# Altium PCB PCB2.PcbDoc (continued)
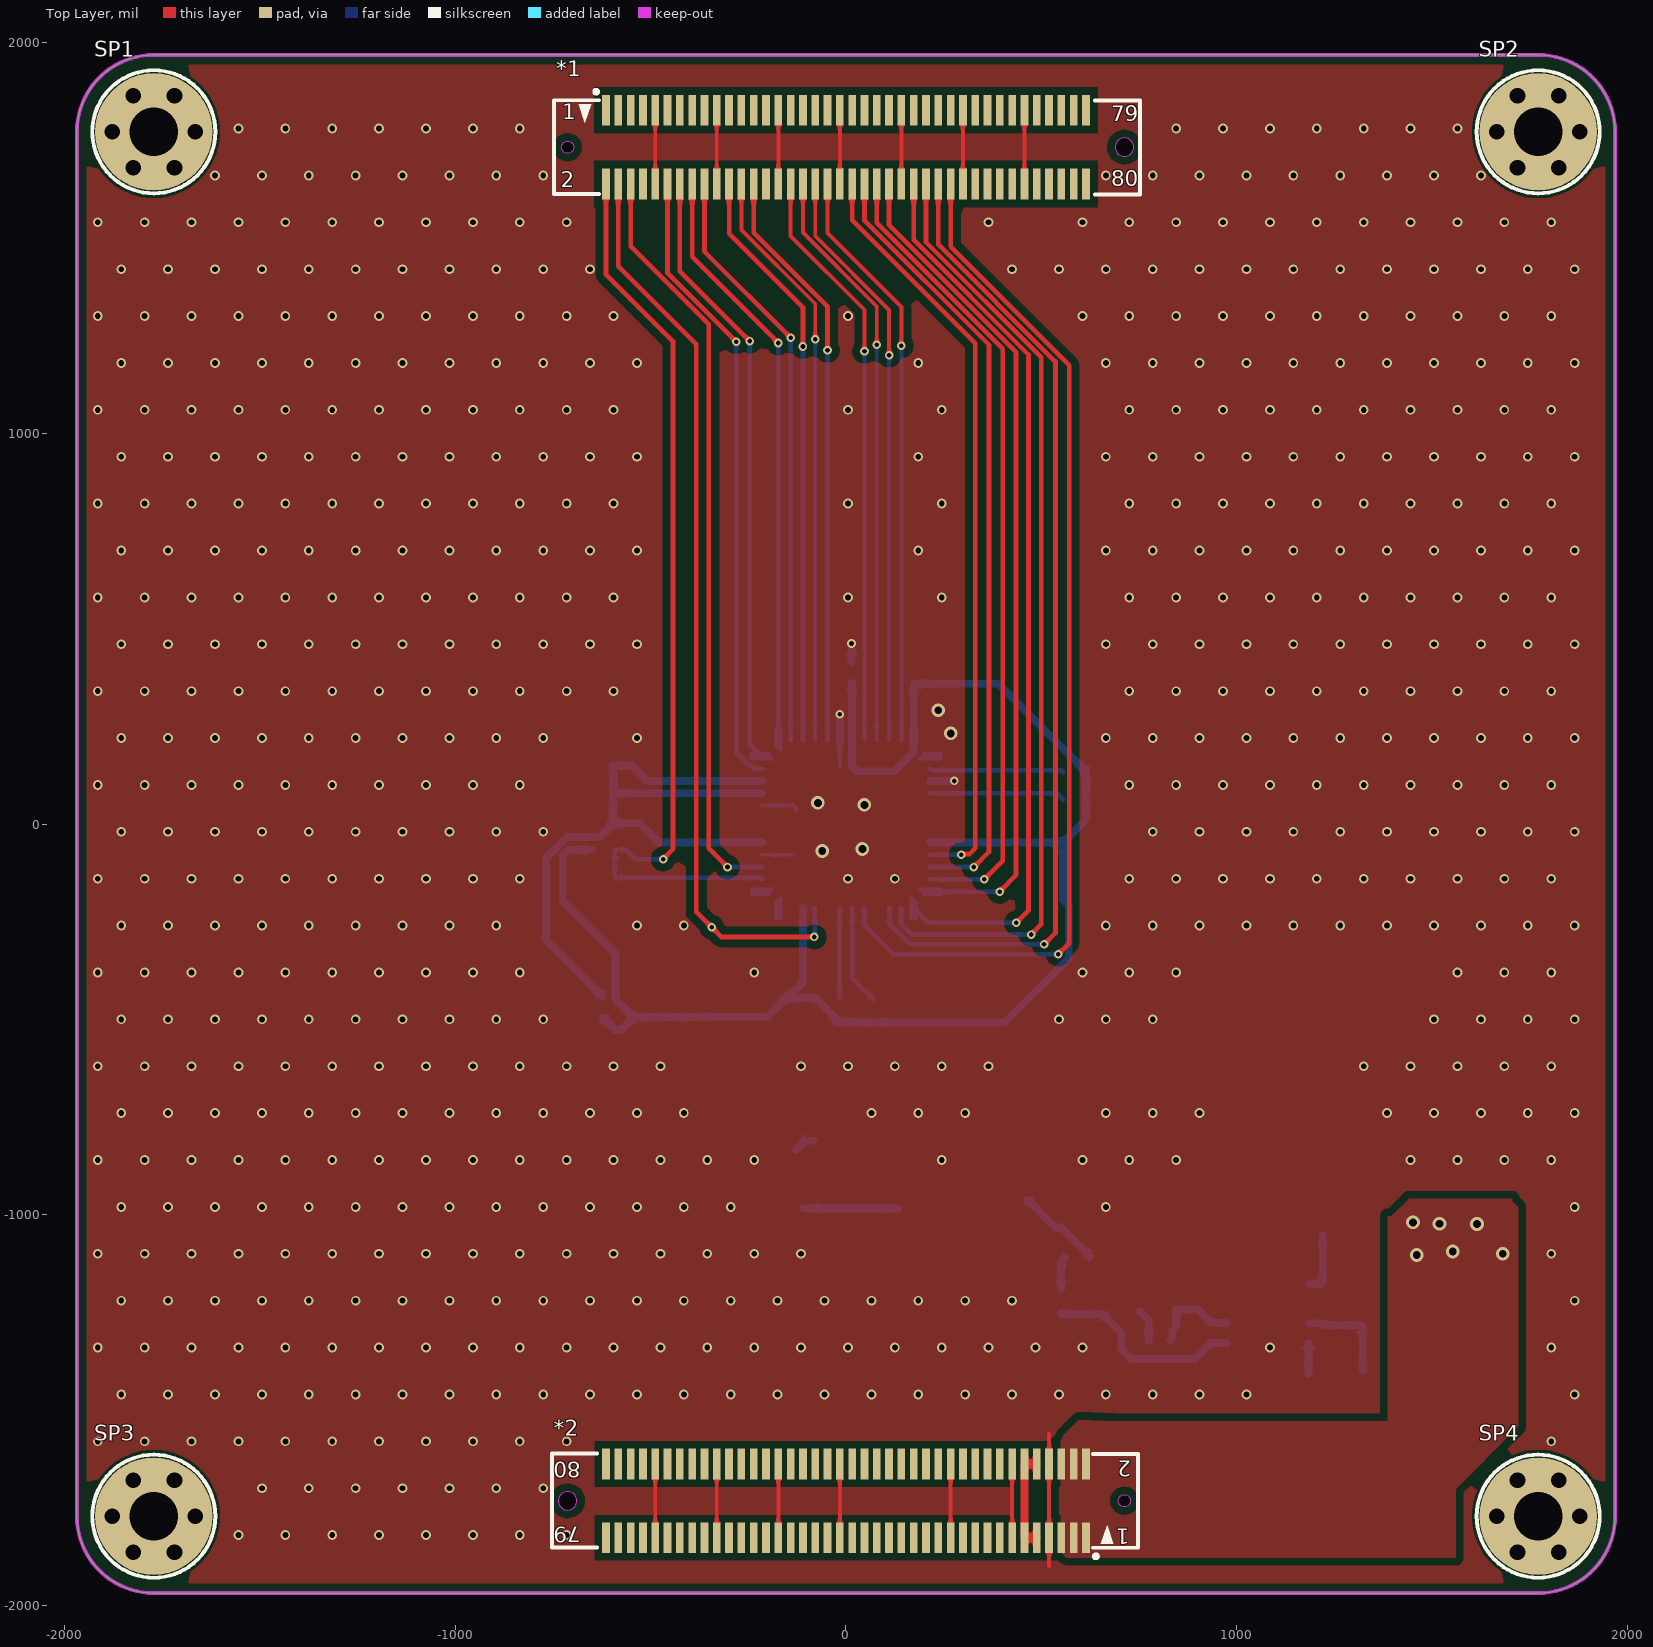
[diagram p0: Top Layer view]
## Components (designator, comment, footprint, x,y, rotation, side; value= is the part's Value field where it differs from the comment)
*1 "BTB-08-80-G" BTB-08-80-G 0,1732.28 r180 top locked
*2 "BTB-08-80-G" BTB-08-80-G 0,-1732.28 r0 top locked
*3 "TPS54331DR" SOIC-8 1080,-1253 r180 bottom
C1 "CAP" C0603 -620.39,-133 r0 bottom
C2 "CAP" C0603 -388.21,-466 r90 bottom
C3 "CAP" C0603 -623.56,150 r180 bottom
C4 "CAP" C0603 -151,-473 r270 bottom
C5 "CAP" C0603 -624.56,2 r180 bottom
C6 "CAP" C0603 -465.21,-465.44 r90 bottom
C7 "CAP" C0603 -623.61,76 r180 bottom
C8 "CAP" C0603 -541.21,-467.44 r90 bottom
C9 "CAP" C0603 14,388.56 r90 bottom
C10 "CAP" C0603 174,386.56 r90 bottom
C11 "CAP" C0603 582.13,-50.12 r0 bottom
C12 "0.1u" 0603C 1220.21,-1052.65 r180 bottom
C13 "47U" 0603C 520.21,-960.65 r180 bottom
C14 "4.7u" 0603C 1590.35,-1293.21 r90 bottom
C15 "4.7u" 0603C 1511.35,-1293.21 r90 bottom
C16 "0.01u" 0603C 1420.35,-1293.21 r90 bottom
C17 "4.7u" 0603C 285.91,-975.01 r270 bottom
C18 "0.1u" 0603C 217.91,-976.01 r270 bottom
C19 "4.7u" 0603C -44.53,-802.86 r180 bottom
C20 "0.1u" 0603C -45.53,-727.86 r180 bottom
C21 "1000p" 0603C 774.79,-1323.35 r0 bottom
C22 "47p" 0603C 843.65,-1187.79 r270 bottom
C23 "0.01u" 0603C 1185.35,-1463.21 r90 bottom
D1 "B340A" SMA/DO-214AC 775,-1023 r0 bottom
EC1 "47u" SMD-EC6.3X6.3X10 1184.27,-416.98 r0 bottom
L1 "FB" L0603 -623,-469 r90 bottom
L2 "6.8uH" L-SMD-0630 1185,-788 r90 bottom
R1 "2K" R0603 71,-478 r270 bottom
R2 "2K" R0603 -16,-478 r270 bottom
R3 "2K" R0603 -620,-66 r180 bottom
R4 "2K" R0603 585,133 r180 bottom
R5 "2K" R0603 585,62 r180 bottom
R6 "0R" 0603R 560,-1108 r0 bottom
R7 "332k" 0603R 1320,-1283 r90 bottom
R8 "68.1k" 0603R 1325,-1463 r90 bottom
R9 "24.9k" 0603R 550,-1253 r90 bottom
R10 "29.4k" 0603R 750,-1185.01 r270 bottom
R11 "4.7k" 0603R 655,-1193 r270 bottom
SP1 "M3铜柱" M3x5_N -1771.65,1771.65 r0 top locked
SP2 "M3铜柱" M3x5_N 1771.65,1771.65 r0 top locked
SP3 "M3铜柱" M3x5_N -1771.65,-1771.65 r0 top locked
SP4 "M3铜柱" M3x5_N 1771.65,-1771.65 r0 top locked
U1 "MT9V034C12STM-DP" CLCC-48_L11.4-W11.4-P0.80-T 0,0 r180 bottom locked
V1 "AMS1117-3V3" SOT223_L 12.73,-984.42 r270 bottom

## Footprints (in the part's own frame and the unit in brackets; to place one, negate y for a bottom-side part, rotate by r counter-clockwise, add the part's x,y. Pads: shape width x height; smd on the part's side, far side on the other; paste and mask are expansions set on the pad)
0603C [mil]
  rect 30x30 smd: 1(0.21,-0.35) 2(55.21,-1.35)
  silkscreen extent -26,-30 81,28, body extent -1,-15 62,16, height 12
0603R [mm]
  rect 0.8x0.965 smd: 1(0,0) 2(1.6,0)
  silkscreen extent -0.64,-0.76 2.21,0.76, body extent -0.04,-0.41 1.56,0.41, height 0.45
BTB-08-80-G [mm] "BTB 公座，0.8mm间距"
  rect 0.5x2 smd mask+0.051: 1(15.6,-2.4) 2(15.6,2.4) 3(14.8,-2.4) 4(14.8,2.4) 5(14,-2.4) 6(14,2.4) 7(13.2,-2.4) 8(13.2,2.4) 9(12.4,-2.4) 10(12.4,2.4) 11(11.6,-2.4) 12(11.6,2.4) 13(10.8,-2.4) 14(10.8,2.4) 15(10,-2.4) 16(10,2.4) 17(9.2,-2.4) 18(9.2,2.4) 19(8.4,-2.4) 20(8.4,2.4) 21(7.6,-2.4) 22(7.6,2.4) 23(6.8,-2.4) 24(6.8,2.4) 25(6,-2.4) 26(6,2.4) 27(5.2,-2.4) 28(5.2,2.4) 29(4.4,-2.4) 30(4.4,2.4) 31(3.6,-2.4) 32(3.6,2.4) 33(2.8,-2.4) 34(2.8,2.4) 35(2,-2.4) 36(2,2.4) 37(1.2,-2.4) 38(1.2,2.4) 39(0.4,-2.4) 40(0.4,2.4) 41(-0.4,-2.4) 42(-0.4,2.4) 43(-1.2,-2.4) 44(-1.2,2.4) 45(-2,-2.4) 46(-2,2.4) 47(-2.8,-2.4) 48(-2.8,2.4) 49(-3.6,-2.4) 50(-3.6,2.4) 51(-4.4,-2.4) 52(-4.4,2.4) 53(-5.2,-2.4) 54(-5.2,2.4) 55(-6,-2.4) 56(-6,2.4) 57(-6.8,-2.4) 58(-6.8,2.4) 59(-7.6,-2.4) 60(-7.6,2.4) 61(-8.4,-2.4) 62(-8.4,2.4) 63(-9.2,-2.4) 64(-9.2,2.4) 65(-10,-2.4) 66(-10,2.4) 67(-10.8,-2.4) 68(-10.8,2.4) 69(-11.6,-2.4) 70(-11.6,2.4) 71(-12.4,-2.4) 72(-12.4,2.4) 73(-13.2,-2.4) 74(-13.2,2.4) 75(-14,-2.4) 76(-14,2.4) 77(-14.8,-2.4) 78(-14.8,2.4) 79(-15.6,-2.4) 80(-15.6,2.4)
  Keep-Out Layer board cut-out: -17.5,0 -17.546,0.23 -17.676,0.424 -17.87,0.554 -18.1,0.6 -18.1,0.6 -18.33,0.554 -18.524,0.424 -18.654,0.23 -18.7,0 -18.7,0 -18.654,-0.23 -18.524,-0.424 -18.33,-0.554 -18.1,-0.6 -18.1,-0.6 -17.87,-0.554 -17.676,-0.424 -17.546,-0.23 -17.5,0
  Keep-Out Layer board cut-out: 18.099,0.4 18.253,0.37 18.382,0.283 18.469,0.153 18.499,0 18.499,0 18.469,-0.153 18.382,-0.283 18.253,-0.37 18.099,-0.4 18.099,-0.4 17.946,-0.37 17.817,-0.283 17.73,-0.153 17.699,0 17.699,0 17.73,0.153 17.817,0.283 17.946,0.37 18.099,0.4
  silkscreen extent -19.11,-3.73 18.99,3.07
C0603 [mm]
  rect 0.8x0.9 smd paste+0 mask+0.051: 1(-0.7,0) 2(0.7,0)
  silkscreen extent -1.41,-0.71 1.39,0.72, body extent -0.8,-0.4 0.8,0.4, height 0.81
CLCC-48_L11.4-W11.4-P0.80-T [mm]
  rect 0.5x2.5 smd paste+0 mask+0.05: 1(-0.4,4.965)
  rect 0.5x1.5 smd paste+0 mask+0.05: 2(-1.2,5.465) 3(-2,5.465) 4(-2.8,5.465) 5(-3.6,5.465) 20(-3.6,-5.465) 21(-2.8,-5.465) 22(-2,-5.465) 23(-1.2,-5.465) 24(-0.4,-5.465) 25(0.4,-5.465) 26(1.2,-5.465) 27(2,-5.465) 28(2.8,-5.465) 29(3.6,-5.465) 44(3.6,5.465) 45(2.8,5.465) 46(2,5.465) 47(1.2,5.465) 48(0.4,5.465)
  round 0.025 smd: 6(-4.4,5.465) 7(-5.465,4.4) 18(-5.465,-4.4) 19(-4.4,-5.465) 30(4.4,-5.465) 31(5.465,-4.4) 42(5.465,4.4) 43(4.399,5.465)
  rect 1.5x0.5 smd paste+0 mask+0.05: 8(-5.465,3.6) 9(-5.465,2.8) 10(-5.465,2) 11(-5.465,1.2) 12(-5.465,0.4) 13(-5.465,-0.4) 14(-5.465,-1.2) 15(-5.465,-2) 16(-5.465,-2.8) 17(-5.465,-3.6) 32(5.465,-3.6) 33(5.465,-2.8) 34(5.465,-2) 35(5.465,-1.2) 36(5.465,-0.4) 37(5.465,0.4) 38(5.465,1.2) 39(5.465,2) 40(5.465,2.8) 41(5.465,3.6)
  Top Layer region: 4.15,-4.715 4.15,-6.215 4.65,-6.215 4.65,-5.042 4.3,-4.715 4.15,-4.715
  Top Layer region: 6.215,-4.65 5.015,-4.65 4.715,-4.3 4.715,-4.15 6.215,-4.15 6.215,-4.65
  Top Layer region: 6.215,4.65 5.015,4.65 4.715,4.3 4.715,4.15 6.215,4.15 6.215,4.65
  Top Layer region: 4.149,4.715 4.149,6.215 4.649,6.215 4.649,5.042 4.3,4.715 4.149,4.715
  Top Layer region: -4.15,4.715 -4.15,6.215 -4.65,6.215 -4.65,5.042 -4.3,4.715 -4.15,4.715
  Top Layer region: -6.215,4.65 -5.015,4.65 -4.715,4.3 -4.715,4.15 -6.215,4.15 -6.215,4.65
  Top Layer region: -6.215,-4.65 -5.015,-4.65 -4.715,-4.3 -4.715,-4.15 -6.215,-4.15 -6.215,-4.65
  Top Layer region: -4.15,-4.715 -4.15,-6.215 -4.65,-6.215 -4.65,-5.042 -4.3,-4.715 -4.15,-4.715
  silkscreen extent -5.72,-5.71 5.71,6.82, body extent -5.72,-5.72 5.72,5.72, height 2.28
L0603 [mm]
  rect 0.8x0.864 smd paste-100 mask+0.051: 1(-0.7,0) 2(0.7,0)
  silkscreen extent -1.42,-0.65 1.41,0.67, body extent -0.8,-0.4 0.8,0.4, height 0.5
L-SMD-0630 [mm] "一体化成型电感"
  rect 3x3.5 smd: 1(-3.175,0) 2(3.175,0)
  silkscreen extent -3.66,-3.48 3.66,3.48, body extent -3.47,-3.3 3.48,3.3
M3x5_N [mil] "M3铜柱，长：5mm"
  round 40 hole 40: 1(-106,0) 1(-53,-91.8) 1(-53,91.8) 1(53,-91.8) 1(53,91.8) 1(106,0)
  round 300 hole 125: 1(0,0)
  silkscreen extent -157,-157 157,157, body extent -106,-93 106,93, height 199
R0603 [mil]
  rect 31.75x34.02 smd paste-3937.01 mask+2: 1(-29.66,0) 2(29.66,0)
  silkscreen extent -55,-26 55,26, body extent -32,-16 32,16, height 17
SMA/DO-214AC [mm] "塑封二极管"
  rect 2x3 smd: A(-0.127,0) K(4.953,0)
  silkscreen extent -1.63,-1.75 6.48,1.75, body extent 0.11,-1.35 4.71,1.35, height 2.4
SMD-EC6.3X6.3X10 [mm]
  rect 3.3x2.132 smd: 1(0.021,0) 2(4.921,0)
  silkscreen extent -0.88,-3.5 5.84,3.5, body extent -1.09,-3.3 5.91,3.3, height 5.4
SOIC-8 [mm]
  oval 2.2x0.6 smd: 1(-2.654,1.905) 2(-2.654,0.635) 3(-2.654,-0.635) 4(-2.654,-1.905) 5(2.654,-1.905) 6(2.654,-0.635) 7(2.654,0.635) 8(2.654,1.905)
  silkscreen extent -2.06,-2.5 1.27,3.2, body extent -3,-2.5 3,2.5, height 1.9
SOT223_L [mm] "6.4x7x1.6mm(长宽高)"
  rect 0.75x1.7 smd: 1(-2.3,-3.048) 2(0,-3.048) 3(2.3,-3.048)
  rect 3.1x1.7 smd: 2(0,3.048)
  silkscreen extent -3.5,-3.88 3.25,1.75, body extent -3.25,-3.51 3.25,3.51, height 1.65

## Part data
*3: "降压型DC-DC"
C1 C2 C3 C4 C5 C6 C7 C8 C9 C10 C11: "无极性电容"
C12 C13 C14 C15 C16 C17 C18 C19 C20 C21 C22 C23: library part CAP, "无极性电容"
D1: library part DIODE, "普通二极管"
EC1: library part ECAP, "贴片电解电容"
L1: "铁氧体磁珠"
L2: library part L, "INDUCTOR"
R1 R2 R3 R4 R5 R6 R7 R8 R9 R10 R11: library part RES, "电阻"
SP1 SP2 SP3 SP4: library part 铜柱大焊盘, "铜柱", BOM名称=铜柱, 学习资源=https://shop463601444.taobao.com, 版权归属="封装库来自淘宝 ID：黄晶宝石"
U1: JLCPCB Part Class="Extended Part", Manufacturer=onsemi(安森美), Add into BOM=yes, Convert to PCB=yes, Datasheet=https://atta.szlcsc.com/upload/public/pdf/source/20200824/C603338_B5C66803071D17F0CA3570A7C18C49F1.pdf, Device=MT9V034C12STM-DP, LCSC Part Name=MT9V034C12STM-DP, Manufacturer Part=MT9V034C12STM-DP, Name=MT9V034C12STM-DP, Supplier=LCSC, Supplier Footprint=-, Supplier Part=C900584, Symbol=MT9V034C12STM-DP
V1: library part AMS1117, "LDO", BOM名称=稳压芯片, 封装库来自淘宝卖家：黄晶宝石=其他店铺购入的买家，请立即申请退款，本店现金奖励200~1000元

## Via types
v1: diameter 25, hole 15, Top Layer to Bottom Layer, 632 vias
v2: diameter 22, hole 12, Top Layer to Bottom Layer, 26 vias
v3: diameter 35, hole 20, Top Layer to Bottom Layer, 12 vias

## Nets (pads, with @x,y where several pads share a name; then routed paths per layer and width w, separated by ;. In a path a pad name is that pad's centre, name@x,y a point inside that pad or via, vN(x,y) a via of type N, cw(c..) or ccw(c..) an arc to the next point about the centre after c; other vN are vias at no path point)
3v3: C2.1 C4.1 C6.1 C8.1 C9.1 C10.1 C11.1 C19.2 C20.2 L1.1 R1.2 R2.2 R3.2 R4.1 R5.1 U1.1 U1.6 U1.14 U1.28 V1.2 | length 4402
  Bottom Layer w20: R3.2 -710,-66 -725,-81 -725,-197.09 -589.99,-332.1 -589.99,-448.19 C8.1@-543.9,-494.28 ; L1.1 -621.74,-496.55 -592.24,-526.05 -574.23,-526.05 -543.9,-495.72 C8.1@-543.9,-494.28 ; -129,-834.19 -105.54,-810.72 -81.42,-810.72 ; U1.28 -110.23,-404.67 -143.28,-437.72 -143.28,-439.69 C4.1@-149.03,-445.44 ; V1.2@-107.28,-984.42 V1.2@132.72,-984.42 ; C9.1 15.6,359.4 15.6,195.63 U1.1 15.75,146.72 27.47,135 123.58,135 173.22,184.65 U1.6 173.22,358.22 C10.1 389.79,359 614.66,134.13 R4.1 R5.1 614.66,11.94 C11.1@555.47,-47.24 ; U1.14 C11.1@555.47,-47.24 ; C8.1@-543.9,-494.28 -388.93,-494.28 C2.1 -201.09,-493.56 -152.97,-445.44 C4.1 C4.1@-149.03,-445.44 ; C4.1@-149.03,-445.44 -79.35,-445.44 -17.13,-507.66 R2.2 R1.2 406.52,-507.66 570,-344.18 570,-208.27 555.47,-193.75 C11.1@555.47,-47.24
3V3A: C3.1 C5.1 C7.1 L1.2 U1.35 U1.39 U1.40 | length 1950.2
  Bottom Layer w20: L1.2 -624.26,-441.45 -630.01,-435.7 -630.01,-434.44 -768,-296.45 -768,-87.23 -713.76,-32.99 -630.02,-32.99 C5.1@-597,0.03 ; C7.1 -596.53,75.52 -596.53,2.48 C5.1 -528,2 -478.75,-47.24 U1.35 ; C3.1@-596.03,148.01 C7.1 -593.46,78.59 -215.31,78.59 U1.39 ; C3.1 -549,150 -509.23,110.23 U1.40
+5: C13.2 C17.2 C18.2 EC1.1 L2.2 R6.2 V1.3 | length 220.4
  Bottom Layer w20: C13.2 536,-1033 551.24,-1033 622.99,-1104.75 R6.2
+5IN: *2.9 *2.10 *2.11 *2.12 | length 252
  Top Layer w20: *2.9 *2.11 *2.12 *2.10
+12IN: *2.1 *2.2 *2.3 *2.4 *2.5 *2.6 *3.2 C14.2 C15.2 C16.2 R7.2
  other v3: 1461,-1103 1681,-1100 1553,-1094 1615,-1024 1519,-1023 1451.21,-1019.57
B13_IO0: *1.33
B13_L1_N: *2.17
B13_L1_P: *2.15
B13_L2_N: *2.21
B13_L2_P: *2.19
B13_L6_N: *2.27
B13_L6_P: *2.25
B13_L8_N: *1.36 U1.4 | length 1500.9
  Top Layer w10: *1.36 -78.74,1504.75 110.24,1315.77 v2(110.24,1199.76)
  Bottom Layer w10: U1.4 v2(110.24,1199.76)
B13_L8_P: *1.38 U1.5 | length 1500.9
  Top Layer w10: *1.38 -47.24,1512.12 141.73,1323.14 v2(141.73,1223.73)
  Bottom Layer w10: U1.5 v2(141.73,1223.73)
B13_L9_N: *1.32 U1.2 | length 1500.9
  Top Layer w10: *1.32 -141.73,1505.13 47.25,1316.14 v2(47.25,1209.75)
  Bottom Layer w10: U1.2 v2(47.25,1209.75)
B13_L9_P: *1.34 U1.3 | length 1500.9
  Top Layer w10: *1.34 -110.24,1513.62 78.74,1324.64 v2(78.74,1226.74)
  Bottom Layer w10: U1.3 v2(78.74,1226.74)
B13_L10_N: *1.28
B13_L10_P: *1.26 U1.47 | length 1500.9
  Top Layer w12: *1.26 -236.22,1513.17 -47.24,1324.18 v2(-47.24,1212.24)
  Bottom Layer w12: U1.47 v2(-47.24,1212.24)
B13_L11_N: *1.24 U1.46 | length 1500.9
  Top Layer w10: *1.24 -267.72,1520.62 -78.74,1331.64 v2(-78.74,1240.74)
  Bottom Layer w10: U1.46 v2(-78.74,1240.74)
B13_L11_P: *1.22 U1.45 | length 1500.9
  Top Layer w12: *1.22 -299.21,1511.1 -110.23,1322.11 v2(-110.23,1222.23)
  Bottom Layer w12: U1.45 v2(-110.23,1222.23)
B13_L12_N: *1.18 U1.44 | length 1514
  Top Layer w12: *1.18 -362.21,1465.21 v2(-141.73,1244.73)
  Bottom Layer w12: U1.44 v2(-141.73,1244.73)
B13_L12_P: *1.16 U1.43 | length 1514
  Top Layer w12: *1.16 -393.7,1451.7 v2(-173.21,1231.21)
  Bottom Layer w12: U1.43 v2(-173.21,1231.21)
B13_L13_N: *1.14 U1.42 | length 1551.6
  Top Layer w12: *1.14 -425.2,1415.2 v2(-246,1236)
  Bottom Layer w12: v2(-246,1236) -246,204.07 U1.42
B13_L13_P: *1.12 U1.41 | length 1610.7
  Top Layer w12: *1.12 -456.69,1409.69 v2(-281,1234)
  Bottom Layer w12: v2(-281,1234) -281,182.73 -249.66,151.38 -244.49,151.38 -234.84,141.73 U1.41
B13_L14_N: *1.7
B13_L14_P: *1.5
B13_L15_N: *1.8
B13_L15_P: *1.6 U1.33 | length 1938.8
  Top Layer w12: *1.6 -551.18,1478.73 -351,1278.54 -351,-62.45 v2(-303.23,-110.23)
  Bottom Layer w12: v2(-303.23,-110.23) U1.33
B13_L16_N: *1.4 U1.27 | length 2350.8
  Top Layer w12: *1.4 -582.68,1427.68 -383,1228 -383,-225 v2(-344,-264) -319,-289 v2(-81,-289)
  Bottom Layer w12: v2(-344,-264) v2@-342.97,-264 ; v2(-81,-289) -79.87,-287.87 -79.87,-218.55 -81,-217.42 U1.27
B13_L16_P: *1.2 C1.2 R3.1 U1.32 | length 2390.7
  Top Layer w12: *1.2 -614.18,1406.18 -443,1235 -443,-65 v2(-468,-90)
  Bottom Layer w12: v2(-468,-90) -538.08,-90 -562.08,-66 R3.1 -591.59,-67.24 -591.59,-131.76 C1.2 -587.94,-137.89 -219,-137.89 U1.32
B13_L17_N: *1.64
B13_L17_P: *1.62
B14_IO0: *1.80
B14_IO25: *1.79
B14_L3_N: *1.61
B14_L3_P: *1.63
B14_L4_N: *1.43
B14_L4_P: *1.41
B14_L5_N: *1.52 U1.19 | length 2303.8
  Top Layer w12: *1.52 173.23,1495.4 467,1201.63 467,-222 v2(436,-253)
  Bottom Layer w12: U1.19 211.06,-253 v2(436,-253)
B14_L5_P: *1.54 U1.20 | length 2439.5
  Top Layer w12: *1.54 204.73,1489.36 500,1194.09 500,-257 v2(474,-283)
  Bottom Layer w12: U1.20 140.65,-216.23 140.65,-255.65 168,-283 v2(474,-283)
B14_L6_N: *1.31
B14_L7_N: *1.35
B14_L7_P: *1.37
B14_L8_N: *1.15
B14_L8_P: *1.17
B14_L9_N: *1.47
B14_L9_P: *1.45
B14_L10_N: *1.13
B14_L10_P: *1.11
B14_L11_N: *1.42 U1.15 | length 1953.2
  Top Layer w12: *1.42 15.75,1545.25 331,1230 331,-62 316.17,-76.83 296.66,-76.83 v2(294.74,-78.74)
  Bottom Layer w12: U1.15 v2(294.74,-78.74)
B14_L11_P: *1.44 U1.16 | length 2008.5
  Top Layer w12: *1.44 47.24,1545.02 366,1226.27 366,-71.47 327.77,-109.7 327.77,-110.23 v2(327.23,-110.23)
  Bottom Layer w12: U1.16 v2(327.23,-110.23)
B14_L12_N: *1.51
B14_L12_P: *1.53
B14_L13_N: *1.55
B14_L13_P: *1.57
B14_L14_N: *1.46 U1.17 | length 2071.2
  Top Layer w12: *1.46 78.74,1538.98 401,1216.72 401,-94.47 v2(353.73,-141.74)
  Bottom Layer w12: U1.17 v2(353.73,-141.74)
B14_L14_P: *1.48 U1.18 | length 2140.9
  Top Layer w12: *1.48 110.24,1532.94 435,1208.18 435,-131.45 v2(393.23,-173.22)
  Bottom Layer w12: U1.18 v2(393.23,-173.22)
B14_L15_N: *1.21
B14_L15_P: *1.23
B14_L16_N: *1.3
B14_L16_P: *1.1
B14_L17_N: *1.27
B14_L17_P: *1.25
B14_L18_N: *1.56 U1.21 | length 2540.1
  Top Layer w12: *1.56 236.22,1483.32 536,1183.54 536,-279 v2(507,-308)
  Bottom Layer w12: U1.21 111.11,-216.02 111.11,-255.11 164,-308 v2(507,-308)
B14_L18_P: *1.58 U1.23 | length 2678.6
  Top Layer w12: *1.58 267.72,1477.28 571,1174 571,-305 v2(543,-333)
  Bottom Layer w12: U1.23 47.25,-259.52 120.73,-333 v2(543,-333)
B14_L19_N: *1.71
B14_L19_P: *1.73
B14_L20_N: *1.65
B14_L20_P: *1.67
B14_L21_N: *1.66
B14_L21_P: *1.68
B14_L22_N: *1.74
B14_L22_P: *1.72
B14_L23_N: *1.77
B14_L23_P: *1.75
B14_L24_N: *1.76
B14_L24_P: *1.78
B16_L1_N: *2.32
B16_L1_P: *2.30
B16_L2_N: *2.45
B16_L2_P: *2.43
B16_L3_N: *2.49
B16_L3_P: *2.47
B16_L4_N: *2.28
B16_L4_P: *2.26
B16_L5_N: *2.46
B16_L5_P: *2.44
B16_L6_N: *2.22
B16_L6_P: *2.20
B16_L7_N: *2.50
B16_L7_P: *2.48
B16_L8_N: *2.16
B16_L8_P: *2.18
B16_L9_N: *2.56
B16_L9_P: *2.54
B16_L10_N: *2.55
B16_L10_P: *2.53
B16_L11_N: *2.60
B16_L11_P: *2.58
B16_L12_N: *2.59
B16_L12_P: *2.57
B16_L13_N: *2.66
B16_L13_P: *2.64
B16_L14_N: *2.65
B16_L14_P: *2.63
B16_L15_N: *2.70
B16_L15_P: *2.68
B16_L16_N: *2.69
B16_L16_P: *2.67
B16_L17_N: *2.76
B16_L17_P: *2.74
B16_L18_N: *2.75
B16_L18_P: *2.73
B16_L19_N: *2.80
B16_L19_P: *2.78
B16_L20_N: *2.79
B16_L20_P: *2.77
GND: *1.9 *1.10 *1.19 *1.20 *1.29 *1.30 *1.39 *1.40 *1.49 *1.50 *1.59 *1.60 *1.69 *1.70 *2.7 *2.8 *2.13 *2.14 *2.23 *2.24 *2.41 *2.42 *2.51 *2.52 *2.61 *2.62 *2.71 *2.72 *3.7 C1.1 C2.2 C3.2 C4.2 C5.2 C6.2 C7.2 C8.2 C9.2 C10.2 C11.2 C13.1 C14.1 C15.1 C16.1 C17.1 C18.1 C19.1 C20.1 C22.1 C23.1 D1.A EC1.2 R8.1 R10.1 R11.1 U1.7 U1.9 U1.11 U1.12 U1.13 U1.29 U1.30 U1.31 U1.34 U1.38 U1.48 V1.1 | length 3217.2
  Top Layer w10: *2.71 *2.72 ; *1.10 *1.9 ; *2.61 *2.62 ; *1.20 *1.19 ; *2.51 *2.52 ; *1.30 *1.29 ; *2.41 *2.42 ; *1.40 *1.39 ; *1.50 *1.49 ; *2.23 *2.24 ; *1.60 *1.59 ; *2.13 *2.14 ; *1.70 *1.69 ; 519.69,-1899.31 *2.7 *2.8 519.69,-1561.69
  Bottom Layer w10: U1.34 -134.26,-78.74 ; U1.38 -133.76,47.24 -127.9,41.39 -127.9,33.1 ; -15.75,144.25 U1.48
  Bottom Layer w20: U1.48 v2(-15.75,280.75) ; C9.2 v2(14,462) ; U1.9 v2(276.76,110.24)
  other v1: -1555,-1820 -1435,-1820 -1315,-1820 -1195,-1820 -1075,-1820 -955,-1820 -835,-1820 -715,-1820 -1495,-1700 -1375,-1700 -1255,-1700 -1135,-1700 -1015,-1700 -895,-1700 -775,-1700 -1915,-1580 -1795,-1580 -1675,-1580 -1555,-1580 -1435,-1580 -1315,-1580 -1195,-1580 -1075,-1580 -955,-1580 -835,-1580 -715,-1580 1805,-1580 -1855,-1460 -1735,-1460 -1615,-1460 -1495,-1460 -1375,-1460 -1255,-1460 -1135,-1460 -1015,-1460 -895,-1460 -775,-1460 -655,-1460 -535,-1460 -415,-1460 -295,-1460 -175,-1460 -55,-1460 65,-1460 185,-1460 305,-1460 425,-1460 545,-1460 665,-1460 785,-1460 905,-1460 1025,-1460 1865,-1460 -1915,-1340 -1795,-1340 -1675,-1340 -1555,-1340 -1435,-1340 -1315,-1340 -1195,-1340 -1075,-1340 -955,-1340 -835,-1340 -715,-1340 -595,-1340 -475,-1340 -355,-1340 -235,-1340 -115,-1340 5,-1340 125,-1340 245,-1340 365,-1340 485,-1340 605,-1340 1085,-1340 1805,-1340 -1855,-1220 -1735,-1220 -1615,-1220 -1495,-1220 -1375,-1220 -1255,-1220 -1135,-1220 -1015,-1220 -895,-1220 -775,-1220 -655,-1220 -535,-1220 -415,-1220 -295,-1220 -175,-1220 -55,-1220 65,-1220 185,-1220 305,-1220 425,-1220 1865,-1220 -1915,-1100 -1795,-1100 -1675,-1100 -1555,-1100 -1435,-1100 -1315,-1100 -1195,-1100 -1075,-1100 -955,-1100 -835,-1100 -715,-1100 -595,-1100 -475,-1100 -355,-1100 -235,-1100 -115,-1100 1805,-1100 -1855,-980 -1735,-980 -1615,-980 -1495,-980 -1375,-980 -1255,-980 -1135,-980 -1015,-980 -895,-980 -775,-980 -655,-980 -535,-980 -415,-980 -295,-980 665,-980 1865,-980 -1915,-860 -1795,-860 -1675,-860 -1555,-860 -1435,-860 -1315,-860 -1195,-860 -1075,-860 -955,-860 -835,-860 -715,-860 -595,-860 -475,-860 -355,-860 -235,-860 245,-860 605,-860 725,-860 845,-860 1445,-860 1565,-860 1685,-860 1805,-860 -1855,-740 -1735,-740 -1615,-740 -1495,-740 -1375,-740 -1255,-740 -1135,-740 -1015,-740 -895,-740 -775,-740 -655,-740 -535,-740 -415,-740 65,-740 185,-740 305,-740 665,-740 785,-740 905,-740 1385,-740 1505,-740 1625,-740 1745,-740 1865,-740 -1915,-620 -1795,-620 -1675,-620 -1555,-620 -1435,-620 -1315,-620 -1195,-620 -1075,-620 -955,-620 -835,-620 -715,-620 -595,-620 -475,-620 -115,-620 5,-620 125,-620 245,-620 365,-620 1325,-620 1445,-620 1565,-620 1685,-620 1805,-620 -1855,-500 -1735,-500 -1615,-500 -1495,-500 -1375,-500 -1255,-500 -1135,-500 -1015,-500 -895,-500 -775,-500 545,-500 665,-500 785,-500 1505,-500 1625,-500 1745,-500 1865,-500 -1915,-380 -1795,-380 -1675,-380 -1555,-380 -1435,-380 -1315,-380 -1195,-380 -1075,-380 -955,-380 -835,-380 -235,-380 605,-380 725,-380 845,-380 1565,-380 1685,-380 1805,-380 -1855,-260 -1735,-260 -1615,-260 -1495,-260 -1375,-260 -1255,-260 -1135,-260 -1015,-260 -895,-260 -535,-260 -415,-260 665,-260 785,-260 905,-260 1025,-260 1145,-260 1265,-260 1385,-260 1505,-260 1625,-260 1745,-260 1865,-260 -1915,-140 -1795,-140 -1675,-140 -1555,-140 -1435,-140 -1315,-140 -1195,-140 -1075,-140 -955,-140 -835,-140 5,-140 125,-140 725,-140 845,-140 965,-140 1085,-140 1205,-140 1325,-140 1445,-140 1565,-140 1685,-140 1805,-140 -1855,-20 -1735,-20 -1615,-20 -1495,-20 -1375,-20 -1255,-20 -1135,-20 -1015,-20 -895,-20 -775,-20 785,-20 905,-20 1025,-20 1145,-20 1265,-20 1385,-20 1505,-20 1625,-20 1745,-20 1865,-20 -1915,100 -1795,100 -1675,100 -1555,100 -1435,100 -1315,100 -1195,100 -1075,100 -955,100 -835,100 725,100 845,100 965,100 1085,100 1205,100 1325,100 1445,100 1565,100 1685,100 1805,100 -1855,220 -1735,220 -1615,220 -1495,220 -1375,220 -1255,220 -1135,220 -1015,220 -895,220 -775,220 -535,220 665,220 785,220 905,220 1025,220 1145,220 1265,220 1385,220 1505,220 1625,220 1745,220 1865,220 -1915,340 -1795,340 -1675,340 -1555,340 -1435,340 -1315,340 -1195,340 -1075,340 -955,340 -835,340 -715,340 -595,340 725,340 845,340 965,340 1085,340 1205,340 1325,340 1445,340 1565,340 1685,340 1805,340 -1855,460 -1735,460 -1615,460 -1495,460 -1375,460 -1255,460 -1135,460 -1015,460 -895,460 -775,460 -655,460 -535,460 665,460 785,460 905,460 1025,460 1145,460 1265,460 1385,460 1505,460 1625,460 1745,460 1865,460 -1915,580 -1795,580 -1675,580 -1555,580 -1435,580 -1315,580 -1195,580 -1075,580 -955,580 -835,580 -715,580 -595,580 5,580 245,580 725,580 845,580 965,580 1085,580 1205,580 1325,580 1445,580 1565,580 1685,580 1805,580 -1855,700 -1735,700 -1615,700 -1495,700 -1375,700 -1255,700 -1135,700 -1015,700 -895,700 -775,700 -655,700 -535,700 185,700 665,700 785,700 905,700 1025,700 1145,700 1265,700 1385,700 1505,700 1625,700 1745,700 1865,700 -1915,820 -1795,820 -1675,820 -1555,820 -1435,820 -1315,820 -1195,820 -1075,820 -955,820 -835,820 -715,820 -595,820 5,820 245,820 725,820 845,820 965,820 1085,820 1205,820 1325,820 1445,820 1565,820 1685,820 1805,820 -1855,940 -1735,940 -1615,940 -1495,940 -1375,940 -1255,940 -1135,940 -1015,940 -895,940 -775,940 -655,940 -535,940 185,940 665,940 785,940 905,940 1025,940 1145,940 1265,940 1385,940 1505,940 1625,940 1745,940 1865,940 -1915,1060 -1795,1060 -1675,1060 -1555,1060 -1435,1060 -1315,1060 -1195,1060 -1075,1060 -955,1060 -835,1060 -715,1060 -595,1060 5,1060 245,1060 725,1060 845,1060 965,1060 1085,1060 1205,1060 1325,1060 1445,1060 1565,1060 1685,1060 1805,1060 -1855,1180 -1735,1180 -1615,1180 -1495,1180 -1375,1180 -1255,1180 -1135,1180 -1015,1180 -895,1180 -775,1180 -655,1180 -535,1180 185,1180 665,1180 785,1180 905,1180 1025,1180 1145,1180 1265,1180 1385,1180 1505,1180 1625,1180 1745,1180 1865,1180 -1915,1300 -1795,1300 -1675,1300 -1555,1300 -1435,1300 -1315,1300 -1195,1300 -1075,1300 -955,1300 -835,1300 -715,1300 -595,1300 5,1300 605,1300 725,1300 845,1300 965,1300 1085,1300 1205,1300 1325,1300 1445,1300 1565,1300 1685,1300 1805,1300 -1855,1420 -1735,1420 -1615,1420 -1495,1420 -1375,1420 -1255,1420 -1135,1420 -1015,1420 -895,1420 -775,1420 -655,1420 425,1420 545,1420 665,1420 785,1420 905,1420 1025,1420 1145,1420 1265,1420 1385,1420 1505,1420 1625,1420 1745,1420 1865,1420 -1915,1540 -1795,1540 -1675,1540 -1555,1540 -1435,1540 -1315,1540 -1195,1540 -1075,1540 -955,1540 -835,1540 -715,1540 365,1540 605,1540 725,1540 845,1540 965,1540 1085,1540 1205,1540 1325,1540 1445,1540 1565,1540 1685,1540 1805,1540 -1615,1660 -1495,1660 -1375,1660 -1255,1660 -1135,1660 -1015,1660 -895,1660 -775,1660 665,1660 785,1660 905,1660 1025,1660 1145,1660 1265,1660 1385,1660 1505,1660 1625,1660 -1555,1780 -1435,1780 -1315,1780 -1195,1780 -1075,1780 -955,1780 -835,1780 845,1780 965,1780 1085,1780 1205,1780 1325,1780 1445,1780 1565,1780
  other v3: -61,-69 42,-64 47,49 -72,54 268,232 236,291
Net*3_1: *3.1 C12.1 | length 157.6
  Bottom Layer w20: *3.1 1215,-1178 1220,-1173 C12.1
Net*3_3: *3.3 R7.1 R8.2 | length 256.7
  Bottom Layer w20: *3.3 1216.96,-1278 1221.96,-1283 R7.1 1322.5,-1285.5 1322.5,-1397.51 R8.2
Net*3_4: *3.4 C23.2 | length 80.2
  Bottom Layer w20: C23.2 1184,-1328.49 *3.4
Net*3_5: *3.5 R9.1 R11.2 | length 514.7
  Bottom Layer w20: R9.1 551.5,-1254.5 653.5,-1254.5 R11.2 658.25,-1255.99 704,-1301.74 704,-1343 730,-1369 893,-1369 933.31,-1328.69 974.82,-1328.69 *3.5
Net*3_6: *3.6 C21.2 C22.2 | length 230.2
  Bottom Layer w20: C21.2 835,-1317 835,-1298 845,-1288 C22.2 901,-1243 935.31,-1277.31 974.82,-1277.31 *3.6
Net*3_8: *3.8 C12.2 D1.K L2.1
NetC21_1: C21.1 R10.2 | length 87.3
  Bottom Layer w20: R10.2 753.25,-1248 775,-1269.75 C21.1
NetR1_1: R1.1 U1.24 | length 256.7
  Bottom Layer w12: U1.24 15.75,-394.23 69.87,-448.34 R1.1
NetR2_1: R2.1 U1.25 | length 233.3
  Bottom Layer w12: R2.1 -15.87,-448.21 -15.87,-215.28 U1.25
NetR4_2: R4.2 U1.8 | length 343.8
  Bottom Layer w12: U1.8 219,137.89 550.45,137.89 R4.2
NetR5_2: R5.2 U1.10 | length 347.8
  Bottom Layer w12: U1.10 539.73,78.74 555.34,63.13 R5.2
NetR6_1: R6.1 R9.2 | length 86.2
  Bottom Layer w20: R9.2 550,-1121.25 560,-1111.25 R6.1
pads on no net: *2.29 *2.31 *2.33 *2.34 *2.35 *2.36 *2.37 *2.38 *2.39 *2.40 SP1.1 SP2.1 SP3.1 SP4.1 U1.22 U1.26 U1.36 U1.37

## Polygon pours and split planes (outlines as drawn)
GND on Bottom Layer "GND_L02_P062" (solid, remove dead copper, pour order 62): -2006,2023 -2006,-1972 2129,-1972 2146,-1955 2121,-1930 2121,2031
GND on Bottom Layer "Bottom Layer-GND 1" (solid, remove dead copper, pour order 44): 604.98,-1497.5 1625,-1497.5 1625,-1258 1125,-1258 1120,-1263 1105,-1248 1105,-1183 1050,-1183 1035,-1168 875,-1168 875,-708 653.73,-708 499,-862.73 499,-1497.5
GND on Bottom Layer "GND_L02_P060" (solid, remove dead copper, pour order 60): 317.97,-918.03 313,-923 -65,-923 -61.8,-712 320.05,-712
+5 on Bottom Layer "+5_L02_P059" (solid, remove dead copper, pour order 59): -27,-1027 -26,-1028 -26,-1151 458,-1151 475,-1134 475,-842 639,-678 995,-678 996,-677 1044,-725 1278,-725 1291,-712 1291,-359 1269,-337 1062,-337 987,-412 946,-412 803,-555 542,-555 360,-737 360,-996 344,-1012 -14,-1012 -20,-1018
3v3 on Bottom Layer "3V3_L02_P058" (solid, remove dead copper, pour order 58): -645,-478 -314,-478 -71,-721 -71,-1061 -196,-1061 -196,-796 -409,-583 -669,-583 -697,-555 -697,-494 -681,-478
+12IN on Bottom Layer "Bottom Layer-+12IN" (solid, remove dead copper, pour order 40): 1125,-1248 1135,-1258 1720,-1258 1720,-977 1699,-956 1445,-956 1383,-1018 1383,-1195.23 1125,-1188
GND on Bottom Layer "GND_L02_P002" (solid, pour order 2): 319,-995 319,-803 188,-803 188,-995
Net*3_8 on Bottom Layer "NET*3_8_L02_P007" (solid, pour order 7): 880,-823 1340,-823 1340,-1197 899,-1197 890,-1188
GND on Top Layer "GND_L01_P063" (solid, remove dead copper, pour order 63): -2006,2035.96 -2006,-1948 -1944,-2010 2096,-2010 2096,1890 1983.57,2002.43
+12IN on Top Layer "+12IN_L01_P061" (solid, pour order 61): 1555,-1708 1721,-1542 1721,-981 1705,-965 1705,-959 1441,-959 1396,-1004 1386,-1004 1386,-1610 1373,-1623
+12IN on Top Layer "+12IN_L01_P041" (solid, remove dead copper, pour order 41): 595.7,-1525.3 534,-1587 534,-1867 545,-1878 1561,-1878 1561,-1528 687,-1528

## Keep-outs
Keep-Out Layer:
  the board outline again, w10

## Silkscreen, mask and mechanical layers (free items; w line width, h text height)
Mechanical 13:
  the board outline again, w10

## Text inside footprints (layer, text, board x,y; h text height)
*1: Top Overlay "1" at -726.48,1803.28 h40; Top Overlay "2" at -730.48,1630.28 h40; Top Overlay "79" at 679.52,1799.28 h40; Top Overlay "80" at 678.52,1632.28 h40
*2: Top Overlay "1" at 726.48,-1803.28 h40 r180; Top Overlay "2" at 730.48,-1630.28 h40 r180; Top Overlay "79" at -679.52,-1799.28 h40 r180; Top Overlay "80" at -678.52,-1632.28 h40 r180